# Altium PCB PCBV3.PcbDoc (part 1 of 2) (continued)
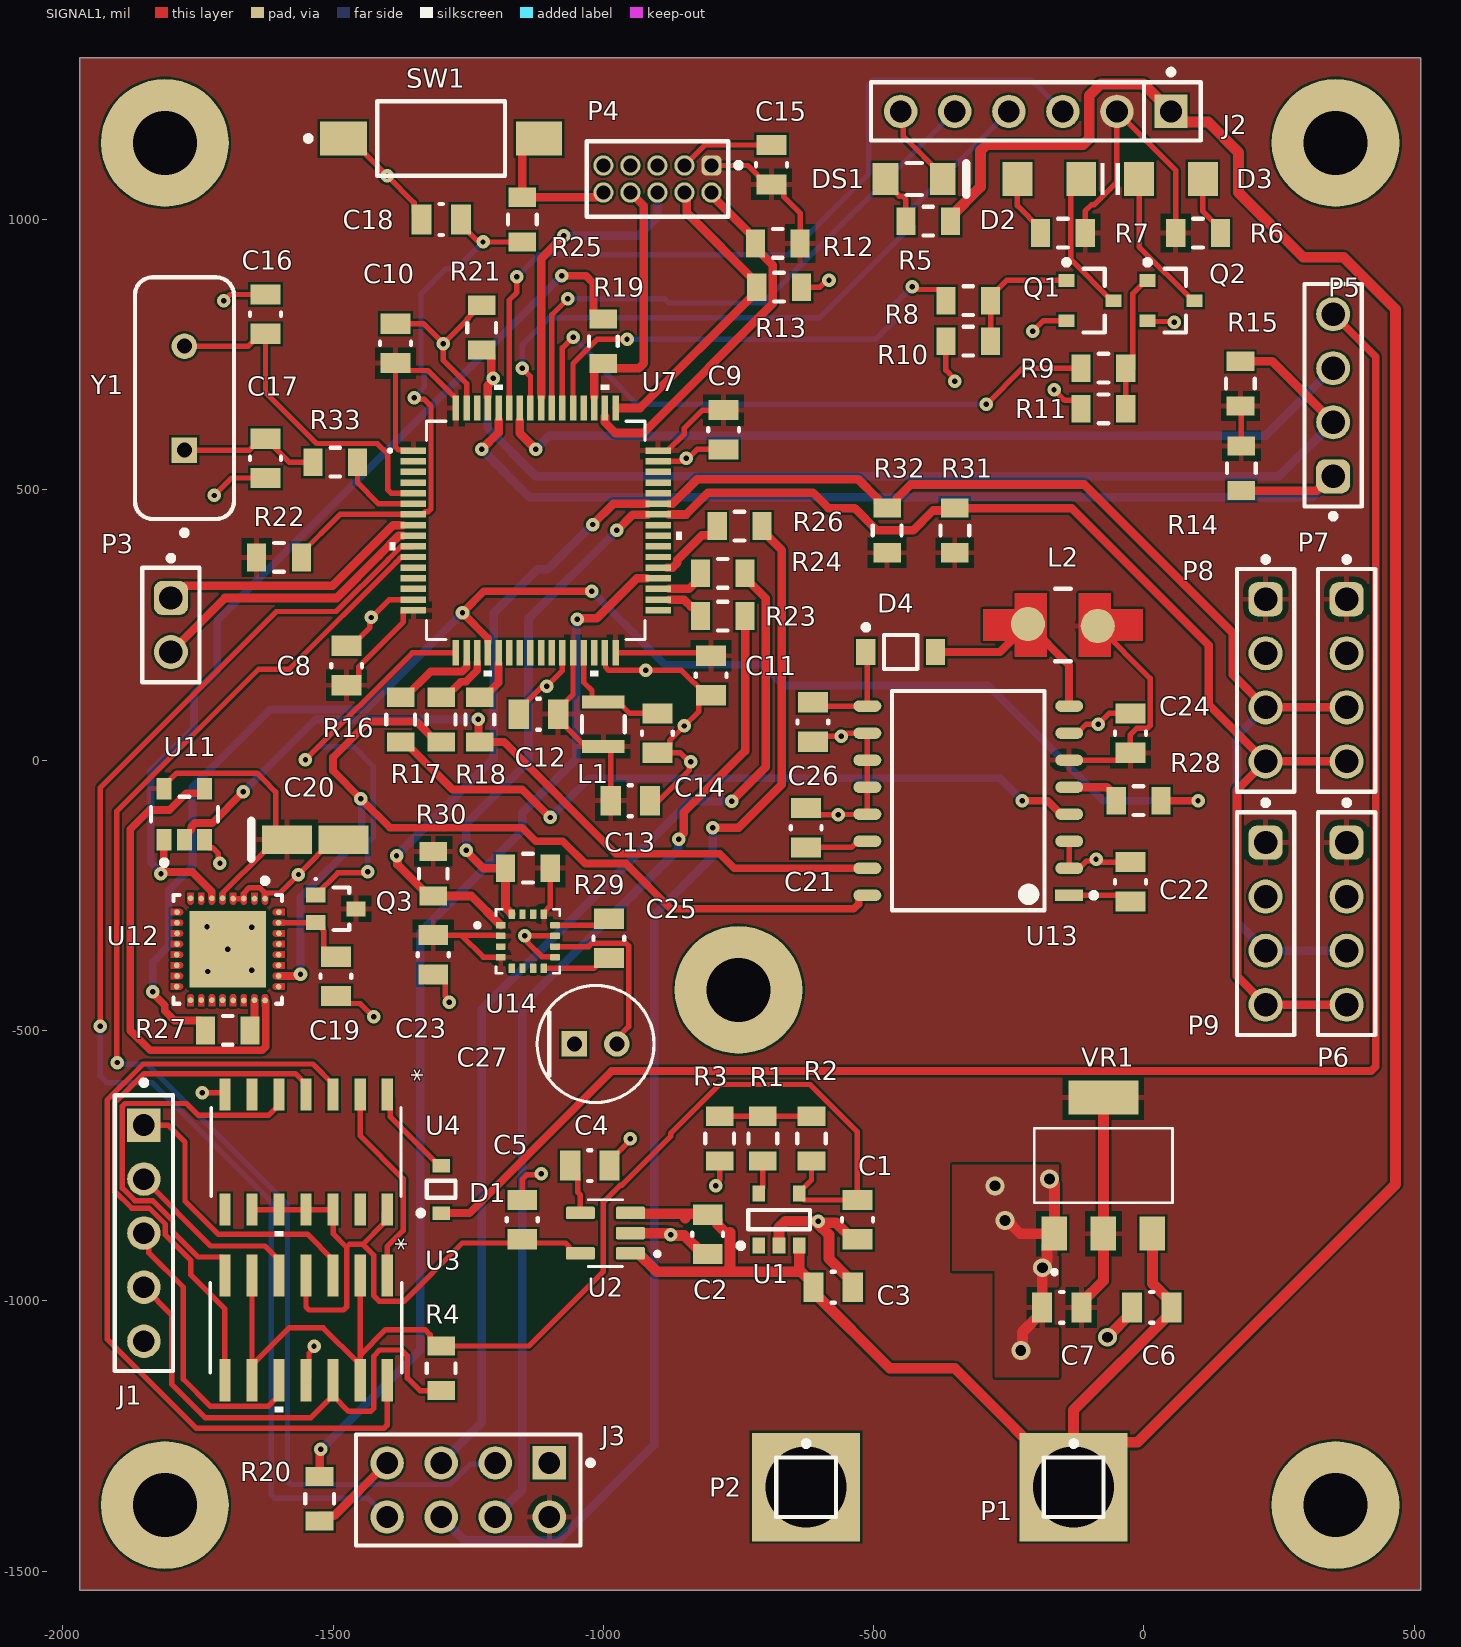
[diagram p0: SIGNAL1 view]
## Design rules (kind name [scope] priority, off if disabled: settings) (continued)
Width MaxMinWidth_44 [InNet('MOSI_2_R')] p17: maxlimit=14.28 minlimit=14.28 preferedwidth=15.88 impedanceprofiledriven=TRUE impedanceprofileid={00D651F3-DFB4-4C9B-8B94-942D9084C4B3} impedanceprofilevalue=50.000000 minimp=50.000000 maximp=50.000000 favimp=50.000000
Width MaxMinWidth_23 [InNet('I2C_SCL')] p18: maxlimit=15.88 minlimit=15.88 preferedwidth=15.88 impedanceprofiledriven=TRUE impedanceprofileid={00D651F3-DFB4-4C9B-8B94-942D9084C4B3} impedanceprofilevalue=50.000000 minimp=50.000000 maximp=50.000000 favimp=50.000000
Width MaxMinWidth_6 [InNet('I2C_HREQ')] p19: maxlimit=15.88 minlimit=15.88 preferedwidth=15.88 impedanceprofiledriven=TRUE impedanceprofileid={00D651F3-DFB4-4C9B-8B94-942D9084C4B3} impedanceprofilevalue=50.000000 minimp=50.000000 maximp=50.000000 favimp=50.000000
Width MaxMinWidth_28 [InNet('+12')] p20: maxlimit=500 minlimit=4 preferedwidth=10 minimp=50.000000 maximp=50.000000 favimp=50.000000
Width MaxMinWidth_24 [InNet('CELL_1')] p21: maxlimit=20 minlimit=4 preferedwidth=10 minimp=50.000000 maximp=50.000000 favimp=50.000000
Width MaxMinWidth_7 [InNet('UART_TX')] p22: maxlimit=15.88 minlimit=15.88 preferedwidth=15.88 impedanceprofiledriven=TRUE impedanceprofileid={00D651F3-DFB4-4C9B-8B94-942D9084C4B3} impedanceprofilevalue=50.000000 minimp=50.000000 maximp=50.000000 favimp=50.000000
Width MaxMinWidth_8 [InNet('UART_RX')] p23: maxlimit=15.88 minlimit=15.88 preferedwidth=15.88 impedanceprofiledriven=TRUE impedanceprofileid={00D651F3-DFB4-4C9B-8B94-942D9084C4B3} impedanceprofilevalue=50.000000 minimp=50.000000 maximp=50.000000 favimp=50.000000
Width MaxMinWidth_9 [InNet('SWO')] p24: maxlimit=15.88 minlimit=15.88 preferedwidth=15.88 impedanceprofiledriven=TRUE impedanceprofileid={00D651F3-DFB4-4C9B-8B94-942D9084C4B3} impedanceprofilevalue=50.000000 minimp=50.000000 maximp=50.000000 favimp=50.000000
Width MaxMinWidth_10 [InNet('SWD_DIO')] p25: maxlimit=15.88 minlimit=15.88 preferedwidth=15.88 impedanceprofiledriven=TRUE impedanceprofileid={00D651F3-DFB4-4C9B-8B94-942D9084C4B3} impedanceprofilevalue=50.000000 minimp=50.000000 maximp=50.000000 favimp=50.000000
Width MaxMinWidth_11 [InNet('SWD_CLK')] p26: maxlimit=15.88 minlimit=15.88 preferedwidth=15.88 impedanceprofiledriven=TRUE impedanceprofileid={00D651F3-DFB4-4C9B-8B94-942D9084C4B3} impedanceprofilevalue=50.000000 minimp=50.000000 maximp=50.000000 favimp=50.000000
Width MaxMinWidth_12 [InNet('RESET_PIN')] p27: maxlimit=15.88 minlimit=15.88 preferedwidth=15.88 impedanceprofiledriven=TRUE impedanceprofileid={00D651F3-DFB4-4C9B-8B94-942D9084C4B3} impedanceprofilevalue=50.000000 minimp=50.000000 maximp=50.000000 favimp=50.000000
Width MaxMinWidth_13 [InNet('I2C_SDA_MAG')] p28: maxlimit=15.88 minlimit=15.88 preferedwidth=15.88 impedanceprofiledriven=TRUE impedanceprofileid={00D651F3-DFB4-4C9B-8B94-942D9084C4B3} impedanceprofilevalue=50.000000 minimp=50.000000 maximp=50.000000 favimp=50.000000
Width MaxMinWidth_15 [InNet('I2C_SDA')] p29: maxlimit=15.88 minlimit=15.88 preferedwidth=15.88 impedanceprofiledriven=TRUE impedanceprofileid={00D651F3-DFB4-4C9B-8B94-942D9084C4B3} impedanceprofilevalue=50.000000 minimp=50.000000 maximp=50.000000 favimp=50.000000
Width MaxMinWidth_17 [InNet('I2C_SCL_MAG')] p30: maxlimit=15.88 minlimit=15.88 preferedwidth=15.88 impedanceprofiledriven=TRUE impedanceprofileid={00D651F3-DFB4-4C9B-8B94-942D9084C4B3} impedanceprofilevalue=50.000000 minimp=50.000000 maximp=50.000000 favimp=50.000000
Width MaxMinWidth_4 [InxNet('MISO_1')] p31: maxlimit=15.88 minlimit=15.88 preferedwidth=15.88 impedanceprofiledriven=TRUE impedanceprofileid={00D651F3-DFB4-4C9B-8B94-942D9084C4B3} impedanceprofilevalue=50.000000 minimp=50.000000 maximp=50.000000 favimp=50.000000
Width MaxMinWidth_3 [InxNet('MISO_2')] p32: maxlimit=15.88 minlimit=15.88 preferedwidth=15.88 impedanceprofiledriven=TRUE impedanceprofileid={00D651F3-DFB4-4C9B-8B94-942D9084C4B3} impedanceprofilevalue=50.000000 minimp=50.000000 maximp=50.000000 favimp=50.000000
Width MaxMinWidth_2 [InxNet('MOSI_1')] p33: maxlimit=15.88 minlimit=15.88 preferedwidth=15.88 impedanceprofiledriven=TRUE impedanceprofileid={00D651F3-DFB4-4C9B-8B94-942D9084C4B3} impedanceprofilevalue=50.000000 minimp=50.000000 maximp=50.000000 favimp=50.000000
Width MaxMinWidth_16 [InxNet('MOSI_2')] p34: maxlimit=15.88 minlimit=15.88 preferedwidth=15.88 impedanceprofiledriven=TRUE impedanceprofileid={00D651F3-DFB4-4C9B-8B94-942D9084C4B3} impedanceprofilevalue=50.000000 minimp=50.000000 maximp=50.000000 favimp=50.000000
Width MaxMinWidth_1 [InxNet('SCLK_1')] p35: maxlimit=15.88 minlimit=15.88 preferedwidth=15.88 impedanceprofiledriven=TRUE impedanceprofileid={00D651F3-DFB4-4C9B-8B94-942D9084C4B3} impedanceprofilevalue=50.000000 minimp=50.000000 maximp=50.000000 favimp=50.000000
Width MaxMinWidth_19 [InxNet('SCLK_2')] p36: maxlimit=15.88 minlimit=15.88 preferedwidth=15.88 impedanceprofiledriven=TRUE impedanceprofileid={00D651F3-DFB4-4C9B-8B94-942D9084C4B3} impedanceprofilevalue=50.000000 minimp=50.000000 maximp=50.000000 favimp=50.000000
Width MaxMinWidth_20 [InxNet('SEL1')] p37: maxlimit=15.88 minlimit=15.88 preferedwidth=15.88 impedanceprofiledriven=TRUE impedanceprofileid={00D651F3-DFB4-4C9B-8B94-942D9084C4B3} impedanceprofilevalue=50.000000 minimp=50.000000 maximp=50.000000 favimp=50.000000
Width MaxMinWidth_21 [InxNet('SEL2')] p38: maxlimit=15.88 minlimit=15.88 preferedwidth=15.88 impedanceprofiledriven=TRUE impedanceprofileid={00D651F3-DFB4-4C9B-8B94-942D9084C4B3} impedanceprofilevalue=50.000000 minimp=50.000000 maximp=50.000000 favimp=50.000000
Width MaxMinWidth_22 [InxNet('SEL3')] p39: maxlimit=15.88 minlimit=15.88 preferedwidth=15.88 impedanceprofiledriven=TRUE impedanceprofileid={00D651F3-DFB4-4C9B-8B94-942D9084C4B3} impedanceprofilevalue=50.000000 minimp=50.000000 maximp=50.000000 favimp=50.000000
Width MaxMinWidth_5 [InxNetClass('All xNets')] p40: maxlimit=20 minlimit=4 preferedwidth=10 minimp=50.000000 maximp=50.000000 favimp=50.000000
Width [All] p41: maxlimit=20 minlimit=4 preferedwidth=10 minimp=50.000000 maximp=50.000000 favimp=50.000000
1 further rules are at their usual default settings.

## Classes and differential pairs
component class Power_schematic: C1 C2 C3 C4 C5 C6 C7 D1 DS1 J1 P1 P2 R1 R2 R3 R4 R5 U1 U2 U3 U4 VR1
component class Microcontroller: C8 C9 C10 C11 C12 C13 C14 C15 C16 C17 C18 D2 D3 J2 J3 L1 P3 P4 P5 Q1 Q2 R6 R7 R8 R9 R10 R11 R12 R13 R14 R15 R16 R17 R18 R19 R20 R21 R22 R23 R24 R25 R26 R31 R32 R33 SW1 U7 Y1
component class "Measurment ICs": C19 C20 C21 C22 C23 C24 C25 C26 C27 D4 L2 P6 P7 P8 P9 Q3 R27 R28 R29 R30 U11 U12 U13 U14

## Components (designator, comment, footprint, x,y, rotation, side; value= is the part's Value field where it differs from the comment)
C1 "0.1uF" FP-CC0805-0_85-MFG -530,-850 r270 top value="100 nF"
C2 "10uF" FP-CC0805-0_85-MFG -807.05,-877.18 r270 top value="100 nF"
C3 "0.1uF" FP-CC0805-0_85-MFG -575,-975 r0 top value="100 nF"
C4 "470pF" FP-CC0805-0_85-MFG -1025,-750 r0 top value="100 nF"
C5 "2,2uF" FP-CC0805-0_85-MFG -1150,-850 r90 top value="100 nF"
C6 "10uF" FP-CC0805-0_85-MFG 14.47,-1012.36 r180 top value="100 nF"
C7 "10uF" FP-CC0805-0_85-MFG -152.02,-1012.36 r180 top value="100 nF"
C8 "10uF" FP-CC0805-0_85-MFG -1475,175 r90 top value="100 nF"
C9 "100nF" FP-CC0805-0_85-MFG -777.54,611.18 r270 top value="100 nF"
C10 "100nF" FP-CC0805-0_85-MFG -1384.52,770.87 r90 top value="100 nF"
C11 "100nF" FP-CC0805-0_85-MFG -800.78,156.64 r270 top value="100 nF"
C12 "100nF" FP-CC0805-0_85-MFG -1120,85 r180 top value="100 nF"
C13 "100nF" FP-CC0805-0_85-MFG -950,-75 r0 top value="100 nF"
C14 "100nF" FP-CC0805-0_85-MFG -900,50 r270 top value="100 nF"
C15 "100nF" FP-CC0805-0_85-MFG -689.02,1101.51 r90 top value="100 nF"
C16 "30pF" FP-CC0805-0_85-MFG -1625,825 r270 top value="100 nF"
C17 "30pF" FP-CC0805-0_85-MFG -1625,558.27 r90 top value="100 nF"
C18 "100nF" FP-CC0805-0_85-MFG -1300,1000 r180 top value="100 nF"
C19 "0.1uF" FP-CC0805-0_85-MFG -1494.69,-400 r90 top value="100 nF"
C20 "10uF" KEMT-A-3216-18-2_M -1532.89,-147.09 r0 top
C21 "1uF" FP-CC0805-0_85-MFG -625,-125 r270 top value="100 nF"
C22 "1uF" FP-CC0805-0_85-MFG -25,-225 r270 top value="100 nF"
C23 "0.1uF" FP-CC0805-0_85-MFG -1314.68,-360 r90 top value="100 nF"
C24 "1uF" FP-CC0805-0_85-MFG -25,50 r270 top value="100 nF"
C25 "0.22uF" FP-CC0805-0_85-MFG -989.69,-329.68 r270 top value="100 nF"
C26 "0.1uF" FP-CC0805-0_85-MFG -612.37,70.61 r90 top value="100 nF"
C27 "4.7uF fi5" FP-RAD-TH-D_5_0_5-L_11_1-MFG -1014.37,-525 r0 top
D1 "BAT54HT1G" ONSC-SOD-323-2-477-02_V -1300,-793.9 r90 top
D2 "150120GS75000" WL-SMCW_1206_150120xx75000 -175,1075 r180 top
D3 "150120BS75000" WL-SMCW_1206_150120xx75000 50,1075 r0 top
D4 "MMSD701T1G" ONSC-SOD-123-2-425-04_V -450,200 r0 top
DS1 "SML-LX1206IC-TR" LUMX-SML-LX1206IC_V -425,1075 r0 top
J1 "22-28-4050" FP-22-28-4050-MFG -1850,-875 r270 top
J2 "22-28-4063" FP-22-28-4063-MFG -200,1200 r180 top
J3 "TSW-104-08-G-D" FP-TSW-104-08-G-D-MFG -1250,-1350 r180 top
L1 "68uH" FP-CB2518-MFG -1000,66.34 r90 top
L2 "470uH" FP-LQH43CN_03-MFG -150,250 r180 top
P1 "+12" PIN1 -130.12,-1344.88 r0 top
P2 "+12" PIN1 -625,-1344.88 r0 top
P3 "61300211121" 61300211121 -1800,250 r270 top
P4 "62201021121" 62201021121 -900,1075 r180 top
P5 "61300411121" 61300411121 350,675 r90 top
P6 "SENSOR_FRONT" 61300411121 375,-302.4 r270 top
P7 "SENSOR_BACK" 61300411121 375,147.6 r270 top
P8 "SENSOR_LEFT" 61300411121 225,147.6 r270 top
P9 "SENSOR_RIGHT" 61300411121 225,-302.4 r270 top
Q1 "BC847C" INF-SOT23_L -100,850 r0 top
Q2 "BC847C" INF-SOT23_L 50,850 r0 top
Q3 "MMBT3906WT1G" ONSC-SC-70-3-419-04_V -1494.69,-275 r0 top
R1 "110k Ohm" FP-RMCF0805-MFG -705,-700 r270 top
R2 "10k Ohm" FP-RMCF0805-MFG -615,-700 r270 top
R3 "1k Ohm" FP-RMCF0805-MFG -785,-700 r270 top
R4 "0 Ohm" FP-RMCF0805-MFG -1300,-1125 r90 top
R5 "600 Ohm" FP-RMCF0805-MFG -399.04,997.09 r0 top
R6 "470 Ohm" FP-RMCF0805-MFG 100,975 r180 top
R7 "470 Ohm" FP-RMCF0805-MFG -150,975 r0 top
R8 "1k Ohm" FP-RMCF0805-MFG -325,850 r0 top
R9 "1k Ohm" FP-RMCF0805-MFG -75,725 r0 top
R10 "10k Ohm" FP-RMCF0805-MFG -325,775 r0 top
R11 "10k Ohm" FP-RMCF0805-MFG -75,650 r0 top
R12 "10k Ohm" FP-RMCF0805-MFG -677.42,955.75 r0 top
R13 "10k Ohm" FP-RMCF0805-MFG -675,875 r180 top
R14 "4k7 Ohm" FP-RMCF0805-MFG 180,540 r270 top
R15 "4k7 Ohm" FP-RMCF0805-MFG 178.5,696.42 r90 top
R16 "0 Ohm" FP-RMCF0805-MFG -1375,75 r90 top
R17 "0 Ohm" FP-RMCF0805-MFG -1300,75 r90 top
R18 "0 Ohm" FP-RMCF0805-MFG -1228.5,75 r90 top
R19 "0 Ohm" FP-RMCF0805-MFG -1000,775 r90 top
R20 "0 Ohm" FP-RMCF0805-MFG -1525,-1366.34 r270 top
R21 "10k Ohm" FP-RMCF0805-MFG -1225,800 r90 top
R22 "10k Ohm" FP-RMCF0805-MFG -1600,375 r180 top
R23 "0 Ohm" FP-RMCF0805-MFG -779.13,266.53 r0 top
R24 "0 Ohm" FP-RMCF0805-MFG -779.13,345.48 r180 top
R25 "1k Ohm" FP-RMCF0805-MFG -1150,1000 r90 top
R26 "0 Ohm" FP-RMCF0805-MFG -748.03,433.07 r0 top
R27 "0 Ohm" FP-RMCF0805-MFG -1694.69,-500 r180 top
R28 "0 Ohm" FP-RMCF0805-MFG -10.06,-75 r0 top
R29 "2k2 Ohm" FP-RMCF0805-MFG -1139.69,-199.68 r180 top
R30 "2k2 Ohm" FP-RMCF0805-MFG -1314.68,-210 r270 top
R31 "4k7 Ohm" FP-RMCF0805-MFG -350,425 r90 top
R32 "4k7 Ohm" FP-RMCF0805-MFG -475,425 r90 top
R33 "10k Ohm" FP-RMCF0805-MFG -1496.06,551.18 r0 top
SW1 "FSMSMTR" TECO-FSMSMTR_V -1300,1150 r0 top
U1 "ADR366BUJZ-REEL7" ADI-UJ-5_L -675,-850 r90 top
U2 "TS5205CX550RFG" SOT95P270X125-5N -996.26,-875 r180 top
U3 "MAX9108ESD+" 21-0041B_14 -1550,-1050 r270 top
U4 "MC14082BDR2G" SOIC-14_NB_ONS -1550,-725 r270 top
U7 "STM32G431RBT6" LQFP64-10x10mm -1125,425 r0 top
U11 "MC74HC1G32DTT1G" FP-483-MFG -1775,-100 r90 top
U12 "ADXL312ACPZ" FP-CP-32-17-MFG -1694.69,-350 r270 top
U13 "ADXRS450BRGZ" FP-RG-16-1-IPC_C -325,-75 r180 top
U14 "HMC5883L-TR" XDCR_HMC5883L-TR -1139.68,-335 r0 top
VR1 "TS1117BCW33_RPG" VREG_TS1117BCW50_RPG -75,-750 r90 top
Y1 "FOXSLF/160-20" FOX-FOXSLF160-20 -1775,669.68 r90 top

## Footprints (in the part's own frame and the unit in brackets; to place one, negate y for a bottom-side part, rotate by r counter-clockwise, add the part's x,y. Pads: shape width x height; smd on the part's side, far side on the other; paste and mask are expansions set on the pad)
21-0041B_14 [mil]
  rect 78x21 smd paste+0 mask+0: 1(-97,150) 2(-97,100) 3(-97,50) 4(-97,0) 5(-97,-50) 6(-97,-100) 7(-97,-150) 8(97,-150) 9(97,-100) 10(97,-50) 11(97,0) 12(97,50) 13(97,100) 14(97,150)
  silkscreen extent -84,-177 156,177, body extent -122,-172 122,172, height 69
61300211121 [mm] "Pin Header, pitch 2.54 mm, THT, Vertical, single row, 2p"
  rrect50% 1.6x1.6 hole 1.1: 1(-1.27,0)
  round 1.6 hole 1.1: 2(1.27,0)
  silkscreen extent -3.26,-1.35 2.69,1.35, body extent -2.54,-1.27 2.54,1.27, height 8.57
61300411121 [mm] "Pin Header, pitch 2.54 mm, THT, Vertical, single row, 4p"
  rrect50% 1.6x1.6 hole 1.1: 1(-3.81,0)
  round 1.6 hole 1.1: 2(-1.27,0) 3(1.27,0) 4(3.81,0)
  silkscreen extent -5.8,-1.35 5.23,1.35, body extent -5.08,-1.27 5.08,1.27, height 8.57
62201021121 [mm] "Pin Header, pitch 1.27 mm, THT, Vertical, dual row, 10p"
  rrect50% 0.95x0.95 hole 0.65: 1(-2.54,-0.635)
  round 0.95 hole 0.65: 2(-2.54,0.635) 3(-1.27,-0.635) 4(-1.27,0.635) 5(0,-0.635) 6(0,0.635) 7(1.27,-0.635) 8(1.27,0.635) 9(2.54,-0.635) 10(2.54,0.635)
  silkscreen extent -3.93,-1.78 3.32,1.78, body extent -3.17,-1.7 3.18,1.7, height 5.33
ADI-UJ-5_L [mm] "SOT23, 5-Leads, Body 2.9x1.6mm, Pitch 0.95mm, IPC High Density"
  rect 0.75x0.6 smd: 1(-1.225,0.95) 2(-1.225,0) 3(-1.225,-0.95) 4(1.225,-0.95) 5(1.225,0.95)
  silkscreen extent -1.35,-1.45 0.45,1.92, body extent -0.8,-1.45 0.8,1.45, height 1
FOX-FOXSLF160-20 [mm] "THD, 2-Leads, Body 11.35x4.65mm"
  rect 1.2x1.2 hole 0.7: 1(-2.44,0)
  round 1.2 hole 0.7: 2(2.44,0)
  silkscreen extent -6.45,-2.33 5.68,2.33, body extent -5.67,-2.32 5.68,2.33, height 3.6
FP-22-28-4050-MFG [mm]
  rect 1.57x1.57 hole 1.02 paste-2539.97 mask+0: 1(-5.08,0)
  round 1.57 hole 1.02 paste-2539.97 mask+0: 2(-2.54,0) 3(0,0) 4(2.54,0) 5(5.08,0)
  silkscreen extent -7.2,-1.37 6.48,1.37, body extent -6.58,-1.47 6.58,1.47, height 0.25
FP-22-28-4063-MFG [mm]
  rect 1.57x1.57 hole 1.02 paste-2539.97 mask+0: 1(-6.35,0)
  round 1.57 hole 1.02 paste-2539.97 mask+0: 2(-3.81,0) 3(-1.27,0) 4(1.27,0) 5(3.81,0) 6(6.35,0)
  silkscreen extent -7.75,-1.97 7.75,1.37, body extent -7.85,-1.47 7.85,1.47, height 0.25
FP-483-MFG [mm]
  rect 1x0.7 smd paste+0 mask+0: 1(-1.2,0.95) 2(-1.2,0) 3(-1.2,-0.95) 4(1.2,-0.95) 5(1.2,0.95)
  silkscreen extent -2.4,-1.57 0.82,1.58, body extent -1.8,-1.83 1.8,1.83, height 0.25
FP-CB2518-MFG [mm]
  rect 0.6x2 smd paste+0 mask+0: 1(-1.05,0) 2(1.05,0)
  silkscreen extent -0.38,-1 0.38,1, body extent -1.45,-1.1 1.45,1.1, height 0.25
FP-CC0805-0_85-MFG [mm]
  rect 0.95x1.4 smd paste+0 mask+0: 1(-0.925,0) 2(0.925,0)
  silkscreen extent -0.07,-0.73 0.08,0.73, body extent -1.6,-1.05 1.6,1.05, height 0.25
FP-CP-32-17-MFG [mm]
  round 0.27 smd paste+0 mask+0: 1(-2.385,1.75) 2(-2.385,1.25) 3(-2.385,0.75) 4(-2.385,0.25) 5(-2.4,-0.25) 6(-2.4,-0.75) 7(-2.385,-1.25) 8(-2.4,-1.75) 9(-1.75,-2.385) 10(-1.25,-2.385) 11(-0.75,-2.385) 12(-0.25,-2.385) 13(0.25,-2.4) 14(0.75,-2.4) 15(1.25,-2.385) 16(1.75,-2.4) 17(2.385,-1.75) 18(2.385,-1.25) 19(2.385,-0.75) 20(2.385,-0.25) 21(2.4,0.25) 22(2.4,0.75) 23(2.385,1.25) 24(2.4,1.75) 25(1.75,2.385) 26(1.25,2.385) 27(0.75,2.385) 28(0.25,2.385) 29(-0.25,2.4) 30(-0.75,2.4) 31(-1.25,2.385) 32(-1.75,2.4)
  rect 3.6x3.6 smd paste+0 mask+0: 33(0,0)
  SIGNAL1 region: -1.6,2.67 -1.6,2.25 -1.611,2.193 -1.644,2.144 -1.693,2.111 -1.75,2.1 -1.75,2.1 -1.807,2.111 -1.856,2.144 -1.889,2.193 -1.9,2.25 -1.9,2.25 -1.9,2.67
  SIGNAL1 region: -1.1,2.67 -1.1,2.25 -1.111,2.193 -1.144,2.144 -1.193,2.111 -1.25,2.1 -1.25,2.1 -1.307,2.111 -1.356,2.144 -1.389,2.193 -1.4,2.25 -1.4,2.25 -1.4,2.67
  SIGNAL1 region: -0.6,2.67 -0.6,2.25 -0.611,2.193 -0.644,2.144 -0.693,2.111 -0.75,2.1 -0.75,2.1 -0.807,2.111 -0.856,2.144 -0.889,2.193 -0.9,2.25 -0.9,2.25 -0.9,2.67
  SIGNAL1 region: -0.1,2.67 -0.1,2.25 -0.111,2.193 -0.144,2.144 -0.193,2.111 -0.25,2.1 -0.25,2.1 -0.307,2.111 -0.356,2.144 -0.389,2.193 -0.4,2.25 -0.4,2.25 -0.4,2.67
  SIGNAL1 region: 0.4,2.67 0.4,2.25 0.389,2.193 0.356,2.144 0.307,2.111 0.25,2.1 0.25,2.1 0.193,2.111 0.144,2.144 0.111,2.193 0.1,2.25 0.1,2.25 0.1,2.67
  SIGNAL1 region: 0.9,2.67 0.9,2.25 0.889,2.193 0.856,2.144 0.807,2.111 0.75,2.1 0.75,2.1 0.693,2.111 0.644,2.144 0.611,2.193 0.6,2.25 0.6,2.25 0.6,2.67
  SIGNAL1 region: 1.4,2.67 1.4,2.25 1.389,2.193 1.356,2.144 1.307,2.111 1.25,2.1 1.25,2.1 1.193,2.111 1.144,2.144 1.111,2.193 1.1,2.25 1.1,2.25 1.1,2.67
  SIGNAL1 region: 1.9,2.67 1.9,2.25 1.889,2.193 1.856,2.144 1.807,2.111 1.75,2.1 1.75,2.1 1.693,2.111 1.644,2.144 1.611,2.193 1.6,2.25 1.6,2.25 1.6,2.67
  SIGNAL1 region: 1.6,-2.67 1.6,-2.25 1.611,-2.193 1.644,-2.144 1.693,-2.111 1.75,-2.1 1.75,-2.1 1.807,-2.111 1.856,-2.144 1.889,-2.193 1.9,-2.25 1.9,-2.25 1.9,-2.67
  SIGNAL1 region: 1.1,-2.67 1.1,-2.25 1.111,-2.193 1.144,-2.144 1.193,-2.111 1.25,-2.1 1.25,-2.1 1.307,-2.111 1.356,-2.144 1.389,-2.193 1.4,-2.25 1.4,-2.25 1.4,-2.67
  SIGNAL1 region: 0.6,-2.67 0.6,-2.25 0.611,-2.193 0.644,-2.144 0.693,-2.111 0.75,-2.1 0.75,-2.1 0.807,-2.111 0.856,-2.144 0.889,-2.193 0.9,-2.25 0.9,-2.25 0.9,-2.67
  SIGNAL1 region: 0.1,-2.67 0.1,-2.25 0.111,-2.193 0.144,-2.144 0.193,-2.111 0.25,-2.1 0.25,-2.1 0.307,-2.111 0.356,-2.144 0.389,-2.193 0.4,-2.25 0.4,-2.25 0.4,-2.67
  SIGNAL1 region: -0.4,-2.67 -0.4,-2.25 -0.389,-2.193 -0.356,-2.144 -0.307,-2.111 -0.25,-2.1 -0.25,-2.1 -0.193,-2.111 -0.144,-2.144 -0.111,-2.193 -0.1,-2.25 -0.1,-2.25 -0.1,-2.67
  SIGNAL1 region: -0.9,-2.67 -0.9,-2.25 -0.889,-2.193 -0.856,-2.144 -0.807,-2.111 -0.75,-2.1 -0.75,-2.1 -0.693,-2.111 -0.644,-2.144 -0.611,-2.193 -0.6,-2.25 -0.6,-2.25 -0.6,-2.67
  SIGNAL1 region: -1.4,-2.67 -1.4,-2.25 -1.389,-2.193 -1.356,-2.144 -1.307,-2.111 -1.25,-2.1 -1.25,-2.1 -1.193,-2.111 -1.144,-2.144 -1.111,-2.193 -1.1,-2.25 -1.1,-2.25 -1.1,-2.67
  SIGNAL1 region: -1.9,-2.67 -1.9,-2.25 -1.889,-2.193 -1.856,-2.144 -1.807,-2.111 -1.75,-2.1 -1.75,-2.1 -1.693,-2.111 -1.644,-2.144 -1.611,-2.193 -1.6,-2.25 -1.6,-2.25 -1.6,-2.67
  SIGNAL1 region: 2.67,1.6 2.25,1.6 2.193,1.611 2.144,1.644 2.111,1.693 2.1,1.75 2.1,1.75 2.111,1.807 2.144,1.856 2.193,1.889 2.25,1.9 2.25,1.9 2.67,1.9
  SIGNAL1 region: 2.67,1.1 2.25,1.1 2.193,1.111 2.144,1.144 2.111,1.193 2.1,1.25 2.1,1.25 2.111,1.307 2.144,1.356 2.193,1.389 2.25,1.4 2.25,1.4 2.67,1.4
  SIGNAL1 region: 2.67,0.6 2.25,0.6 2.193,0.611 2.144,0.644 2.111,0.693 2.1,0.75 2.1,0.75 2.111,0.807 2.144,0.856 2.193,0.889 2.25,0.9 2.25,0.9 2.67,0.9
  SIGNAL1 region: 2.67,0.1 2.25,0.1 2.193,0.111 2.144,0.144 2.111,0.193 2.1,0.25 2.1,0.25 2.111,0.307 2.144,0.356 2.193,0.389 2.25,0.4 2.25,0.4 2.67,0.4
  SIGNAL1 region: 2.67,-0.4 2.25,-0.4 2.193,-0.389 2.144,-0.356 2.111,-0.307 2.1,-0.25 2.1,-0.25 2.111,-0.193 2.144,-0.144 2.193,-0.111 2.25,-0.1 2.25,-0.1 2.67,-0.1
  SIGNAL1 region: 2.67,-0.9 2.25,-0.9 2.193,-0.889 2.144,-0.856 2.111,-0.807 2.1,-0.75 2.1,-0.75 2.111,-0.693 2.144,-0.644 2.193,-0.611 2.25,-0.6 2.25,-0.6 2.67,-0.6
  SIGNAL1 region: 2.67,-1.4 2.25,-1.4 2.193,-1.389 2.144,-1.356 2.111,-1.307 2.1,-1.25 2.1,-1.25 2.111,-1.193 2.144,-1.144 2.193,-1.111 2.25,-1.1 2.25,-1.1 2.67,-1.1
  SIGNAL1 region: 2.67,-1.9 2.25,-1.9 2.193,-1.889 2.144,-1.856 2.111,-1.807 2.1,-1.75 2.1,-1.75 2.111,-1.693 2.144,-1.644 2.193,-1.611 2.25,-1.6 2.25,-1.6 2.67,-1.6
  SIGNAL1 region: -2.67,-1.6 -2.25,-1.6 -2.193,-1.611 -2.144,-1.644 -2.111,-1.693 -2.1,-1.75 -2.1,-1.75 -2.111,-1.807 -2.144,-1.856 -2.193,-1.889 -2.25,-1.9 -2.25,-1.9 -2.67,-1.9
  SIGNAL1 region: -2.67,-1.1 -2.25,-1.1 -2.193,-1.111 -2.144,-1.144 -2.111,-1.193 -2.1,-1.25 -2.1,-1.25 -2.111,-1.307 -2.144,-1.356 -2.193,-1.389 -2.25,-1.4 -2.25,-1.4 -2.67,-1.4
  SIGNAL1 region: -2.67,-0.6 -2.25,-0.6 -2.193,-0.611 -2.144,-0.644 -2.111,-0.693 -2.1,-0.75 -2.1,-0.75 -2.111,-0.807 -2.144,-0.856 -2.193,-0.889 -2.25,-0.9 -2.25,-0.9 -2.67,-0.9
  SIGNAL1 region: -2.67,-0.1 -2.25,-0.1 -2.193,-0.111 -2.144,-0.144 -2.111,-0.193 -2.1,-0.25 -2.1,-0.25 -2.111,-0.307 -2.144,-0.356 -2.193,-0.389 -2.25,-0.4 -2.25,-0.4 -2.67,-0.4
  SIGNAL1 region: -2.67,0.4 -2.25,0.4 -2.193,0.389 -2.144,0.356 -2.111,0.307 -2.1,0.25 -2.1,0.25 -2.111,0.193 -2.144,0.144 -2.193,0.111 -2.25,0.1 -2.25,0.1 -2.67,0.1
  SIGNAL1 region: -2.67,0.9 -2.25,0.9 -2.193,0.889 -2.144,0.856 -2.111,0.807 -2.1,0.75 -2.1,0.75 -2.111,0.693 -2.144,0.644 -2.193,0.611 -2.25,0.6 -2.25,0.6 -2.67,0.6
  SIGNAL1 region: -2.67,1.4 -2.25,1.4 -2.193,1.389 -2.144,1.356 -2.111,1.307 -2.1,1.25 -2.1,1.25 -2.111,1.193 -2.144,1.144 -2.193,1.111 -2.25,1.1 -2.25,1.1 -2.67,1.1
  SIGNAL1 region: -2.67,1.9 -2.25,1.9 -2.193,1.889 -2.144,1.856 -2.111,1.807 -2.1,1.75 -2.1,1.75 -2.111,1.693 -2.144,1.644 -2.193,1.611 -2.25,1.6 -2.25,1.6 -2.67,1.6
  silkscreen extent -3.35,-2.55 2.55,2.55
FP-LQH43CN_03-MFG [mil]
  round 63.12 smd paste+0 mask+0: 1(-64.59,1.85) 2(64.59,-1.85)
  SIGNAL1 region: -147.64,29.53 -88.58,29.53 -88.58,59.06 -29.53,59.06 -29.53,-59.06 -88.58,-59.06 -88.58,-29.53 -147.64,-29.53 -147.64,29.53
  SIGNAL1 region: 147.64,29.53 88.58,29.53 88.58,59.06 29.53,59.06 29.53,-59.06 88.58,-59.06 88.58,-29.53 147.64,-29.53 147.64,29.53
  silkscreen extent -15,-67 15,67, body extent -152,-71 152,71, height 10
FP-RAD-TH-D_5_0_5-L_11_1-MFG [mm]
  rect 1.2x1.2 hole 0.7 paste-2539.97 mask+0: 1(-1,0)
  round 1.2 hole 0.7 paste-2539.97 mask+0: 2(1,0)
  silkscreen extent -2.75,-2.75 2.75,2.75, body extent -2.85,-2.85 2.85,2.85, height 0.25
FP-RG-16-1-IPC_C [mil]
  rect 51.56x21.36 smd paste+0 mask+0: 1(-186.63,175)
  rrect100% 51.56x21.36 smd paste+0 mask+0: 2(-186.63,125) 3(-186.63,75) 4(-186.63,25) 5(-186.63,-25) 6(-186.63,-75) 7(-186.63,-125) 8(-186.63,-175) 9(186.63,-175) 10(186.63,-125) 11(186.63,-75) 12(186.63,-25) 13(186.63,25) 14(186.63,75) 15(186.63,125) 16(186.63,175)
  silkscreen extent -237,-203 141,203, body extent -216,-207 216,207, height 10
FP-RMCF0805-MFG [mm]
  rect 0.9x1.3 smd paste+0 mask+0: 1(-1.05,0) 2(1.05,0)
  silkscreen extent -0.23,-0.67 0.23,0.67, body extent -1.6,-0.77 1.6,0.77, height 0.25
FP-TSW-104-08-G-D-MFG [mm]
  rect 1.57x1.57 hole 1.02 paste-2539.97 mask+0: 1(-3.81,-1.27)
  round 1.57 hole 1.02 paste-2539.97 mask+0: 2(-3.81,1.27) 3(-1.27,-1.27) 4(-1.27,1.27) 5(1.27,-1.27) 6(1.27,1.27) 7(3.81,-1.27) 8(3.81,1.27)
  silkscreen extent -5.87,-2.61 5.27,2.61, body extent -5.37,-2.71 5.37,2.71, height 0.25
INF-SOT23_L [mm] "SOT23, 3-Leads, Body 2.9x1.3 mm, Pitch 0.95 mm, IPC High Density"
  rect 0.75x0.6 smd: 1(-1.1,0.95) 2(-1.1,-0.95) 3(1.1,0)
  silkscreen extent -1.22,-1.5 0.7,1.92, body extent -0.7,-1.5 0.7,1.5, height 1.1
KEMT-A-3216-18-2_M [mm] "Molded TAN Capacitor, 2-Leads, Body 3.4x1.8mm, IPC Low Density"
  rect 2.35x1.35 smd: 1(-1.325,0) 2(1.325,0)
  silkscreen extent -3,-0.9 -3,0.9, body extent -1.7,-0.9 1.7,0.9, height 1.8
LQFP64-10x10mm [mil]
  rect 47x12 smd paste+0 mask+0: 1(-226.38,147.64) 2(-226.38,127.95) 3(-226.38,108.27) 4(-226.38,88.58) 5(-226.38,68.9) 6(-226.38,49.21) 7(-226.38,29.53) 8(-226.38,9.84) 9(-226.38,-9.84) 10(-226.38,-29.53) 11(-226.38,-49.21) 12(-226.38,-68.9) 13(-226.38,-88.58) 14(-226.38,-108.27) 15(-226.38,-127.95) 16(-226.38,-147.64) 33(226.38,-147.64) 34(226.38,-127.95) 35(226.38,-108.27) 36(226.38,-88.58) 37(226.38,-68.9) 38(226.38,-49.21) 39(226.38,-29.53) 40(226.38,-9.84) 41(226.38,9.84) 42(226.38,29.53) 43(226.38,49.21) 44(226.38,68.9) 45(226.38,88.58) 46(226.38,108.27) 47(226.38,127.95) 48(226.38,147.64)
  rect 12x47 smd paste+0 mask+0: 17(-147.64,-226.38) 18(-127.95,-226.38) 19(-108.27,-226.38) 20(-88.58,-226.38) 21(-68.9,-226.38) 22(-49.21,-226.38) 23(-29.53,-226.38) 24(-9.84,-226.38) 25(9.84,-226.38) 26(29.53,-226.38) 27(49.21,-226.38) 28(68.9,-226.38) 29(88.58,-226.38) 30(108.27,-226.38) 31(127.95,-226.38) 32(147.64,-226.38) 49(147.64,226.38) 50(127.95,226.38) 51(108.27,226.38) 52(88.58,226.38) 53(68.9,226.38) 54(49.21,226.38) 55(29.53,226.38) 56(9.84,226.38) 57(-9.84,226.38) 58(-29.53,226.38) 59(-49.21,226.38) 60(-68.9,226.38) 61(-88.58,226.38) 62(-108.27,226.38) 63(-127.95,226.38) 64(-147.64,226.38)
  silkscreen extent -273,-270 270,270, body extent -236,-236 236,236, height 63
LUMX-SML-LX1206IC_V [mm] "SMD, 2-Leads, Body 3.2x1.5mm"
  rect 1.2x1.5 smd: 1(-1.35,0) 2(1.35,0)
  silkscreen extent -0.35,-0.75 2.45,0.75, body extent -1.6,-0.8 1.6,0.8, height 1.1
ONSC-SC-70-3-419-04_V [mm] "SOT23, 3-Leads, Body 2x1.25mm, Pitch 0.65mm"
  rect 0.9x0.7 smd: 1(-0.95,0.65) 2(-0.95,-0.65) 3(0.95,0)
  silkscreen extent -1,-1 0.62,1.45, body extent -0.63,-1 0.63,1, height 1
ONSC-SOD-123-2-425-04_V [mm] "SOD, 2-Leads, Body 2.69x1.6mm"
  rect 0.91x1.22 smd: 1(-1.635,0) 2(1.635,0)
  silkscreen extent -1.76,-0.8 0.78,1.28, body extent -1.35,-0.8 1.35,0.8, height 1.35
ONSC-SOD-323-2-477-02_V [mm] "SOD, 2-Leads, Body 1.7x1.25mm"
  rect 0.63x0.83 smd: 1(-1.115,0) 2(1.115,0)
  silkscreen extent -1.24,-0.67 0.4,1.09, body extent -0.85,-0.63 0.85,0.63, height 1.06
PIN1 [mil] "Connector; Plug"
  rect 200x200 hole 150: 1(0,0)
  silkscreen extent -55,-55 55,86
SOIC-14_NB_ONS [mil]
  rect 59x21 smd paste+0 mask+0: 1(-106.5,150) 2(-106.5,100) 3(-106.5,50) 4(-106.5,0) 5(-106.5,-50) 6(-106.5,-100) 7(-106.5,-150) 8(106.5,-150) 9(106.5,-100) 10(106.5,-50) 11(106.5,0) 12(106.5,50) 13(106.5,100) 14(106.5,150)
  silkscreen extent -82,-176 156,175, body extent -122,-171 122,171, height 69
SOT95P270X125-5N [mm]
  rrect25% 1.36x0.59 smd: 1(-1.175,0.95) 2(-1.175,0) 3(-1.175,-0.95) 4(1.175,-0.95) 5(1.175,0.95)
  silkscreen extent -2.54,-1.56 0.8,1.56
TECO-FSMSMTR_V [mm] "SMD, 2-Leads, Body 6x3.5mm, Pitch 9.19mm"
  rect 2.2x1.6 smd: 1(-4.595,0)
  rect 2.18x1.6 smd: 2(4.595,0)
  silkscreen extent -6.37,-1.75 3,1.75, body extent -4.98,-1.75 4.98,1.75, height 4.4
VREG_TS1117BCW50_RPG [mm]
  rect 1.6x1.2 smd: 1(-3.2,2.3) 2(-3.2,0) 3(-3.2,-2.3)
  rect 1.6x3.3 smd: 4(3.2,0)
  silkscreen extent -5.1,-3.25 1.75,3.25
WL-SMCW_1206_150120xx75000 [mm] "SMD Mono-color Chip LED, body 3.2x1.6mm"
  rect 1.4x1.6 smd: 1(-1.5,0) 2(1.5,0)
  silkscreen extent -2.6,-0.75 -2.4,0.75, body extent -1.6,-0.8 1.6,0.8, height 0.68
XDCR_HMC5883L-TR [mm]
  rrect17% 0.45x0.3 smd: 1(-1.275,0.75) 2(-1.275,0.25) 3(-1.275,-0.25) 4(-1.275,-0.75) 9(1.275,-0.75) 10(1.275,-0.25) 11(1.275,0.25) 12(1.275,0.75)
  rrect17% 0.3x0.45 smd: 5(-0.75,-1.275) 6(-0.25,-1.275) 7(0.25,-1.275) 8(0.75,-1.275) 13(0.75,1.275) 14(0.25,1.275) 15(-0.25,1.275) 16(-0.75,1.275)
  silkscreen extent -2.47,-1.5 1.5,1.5